# Altium PCB Tigershark 3D R2.2 - RRDC.PcbDoc (part 2 of 4)
Units mil, origin at the board's own origin, x right, y up, seen from the top; angles counter-clockwise.
Board outline 4100 x 4050 mil, 4 copper layers (Top Layer, Groun Plane, Power Plane, Bottom Layer), stack 61.73 mil thick; 356 components, 244 nets, 1149 pads, 847 vias.
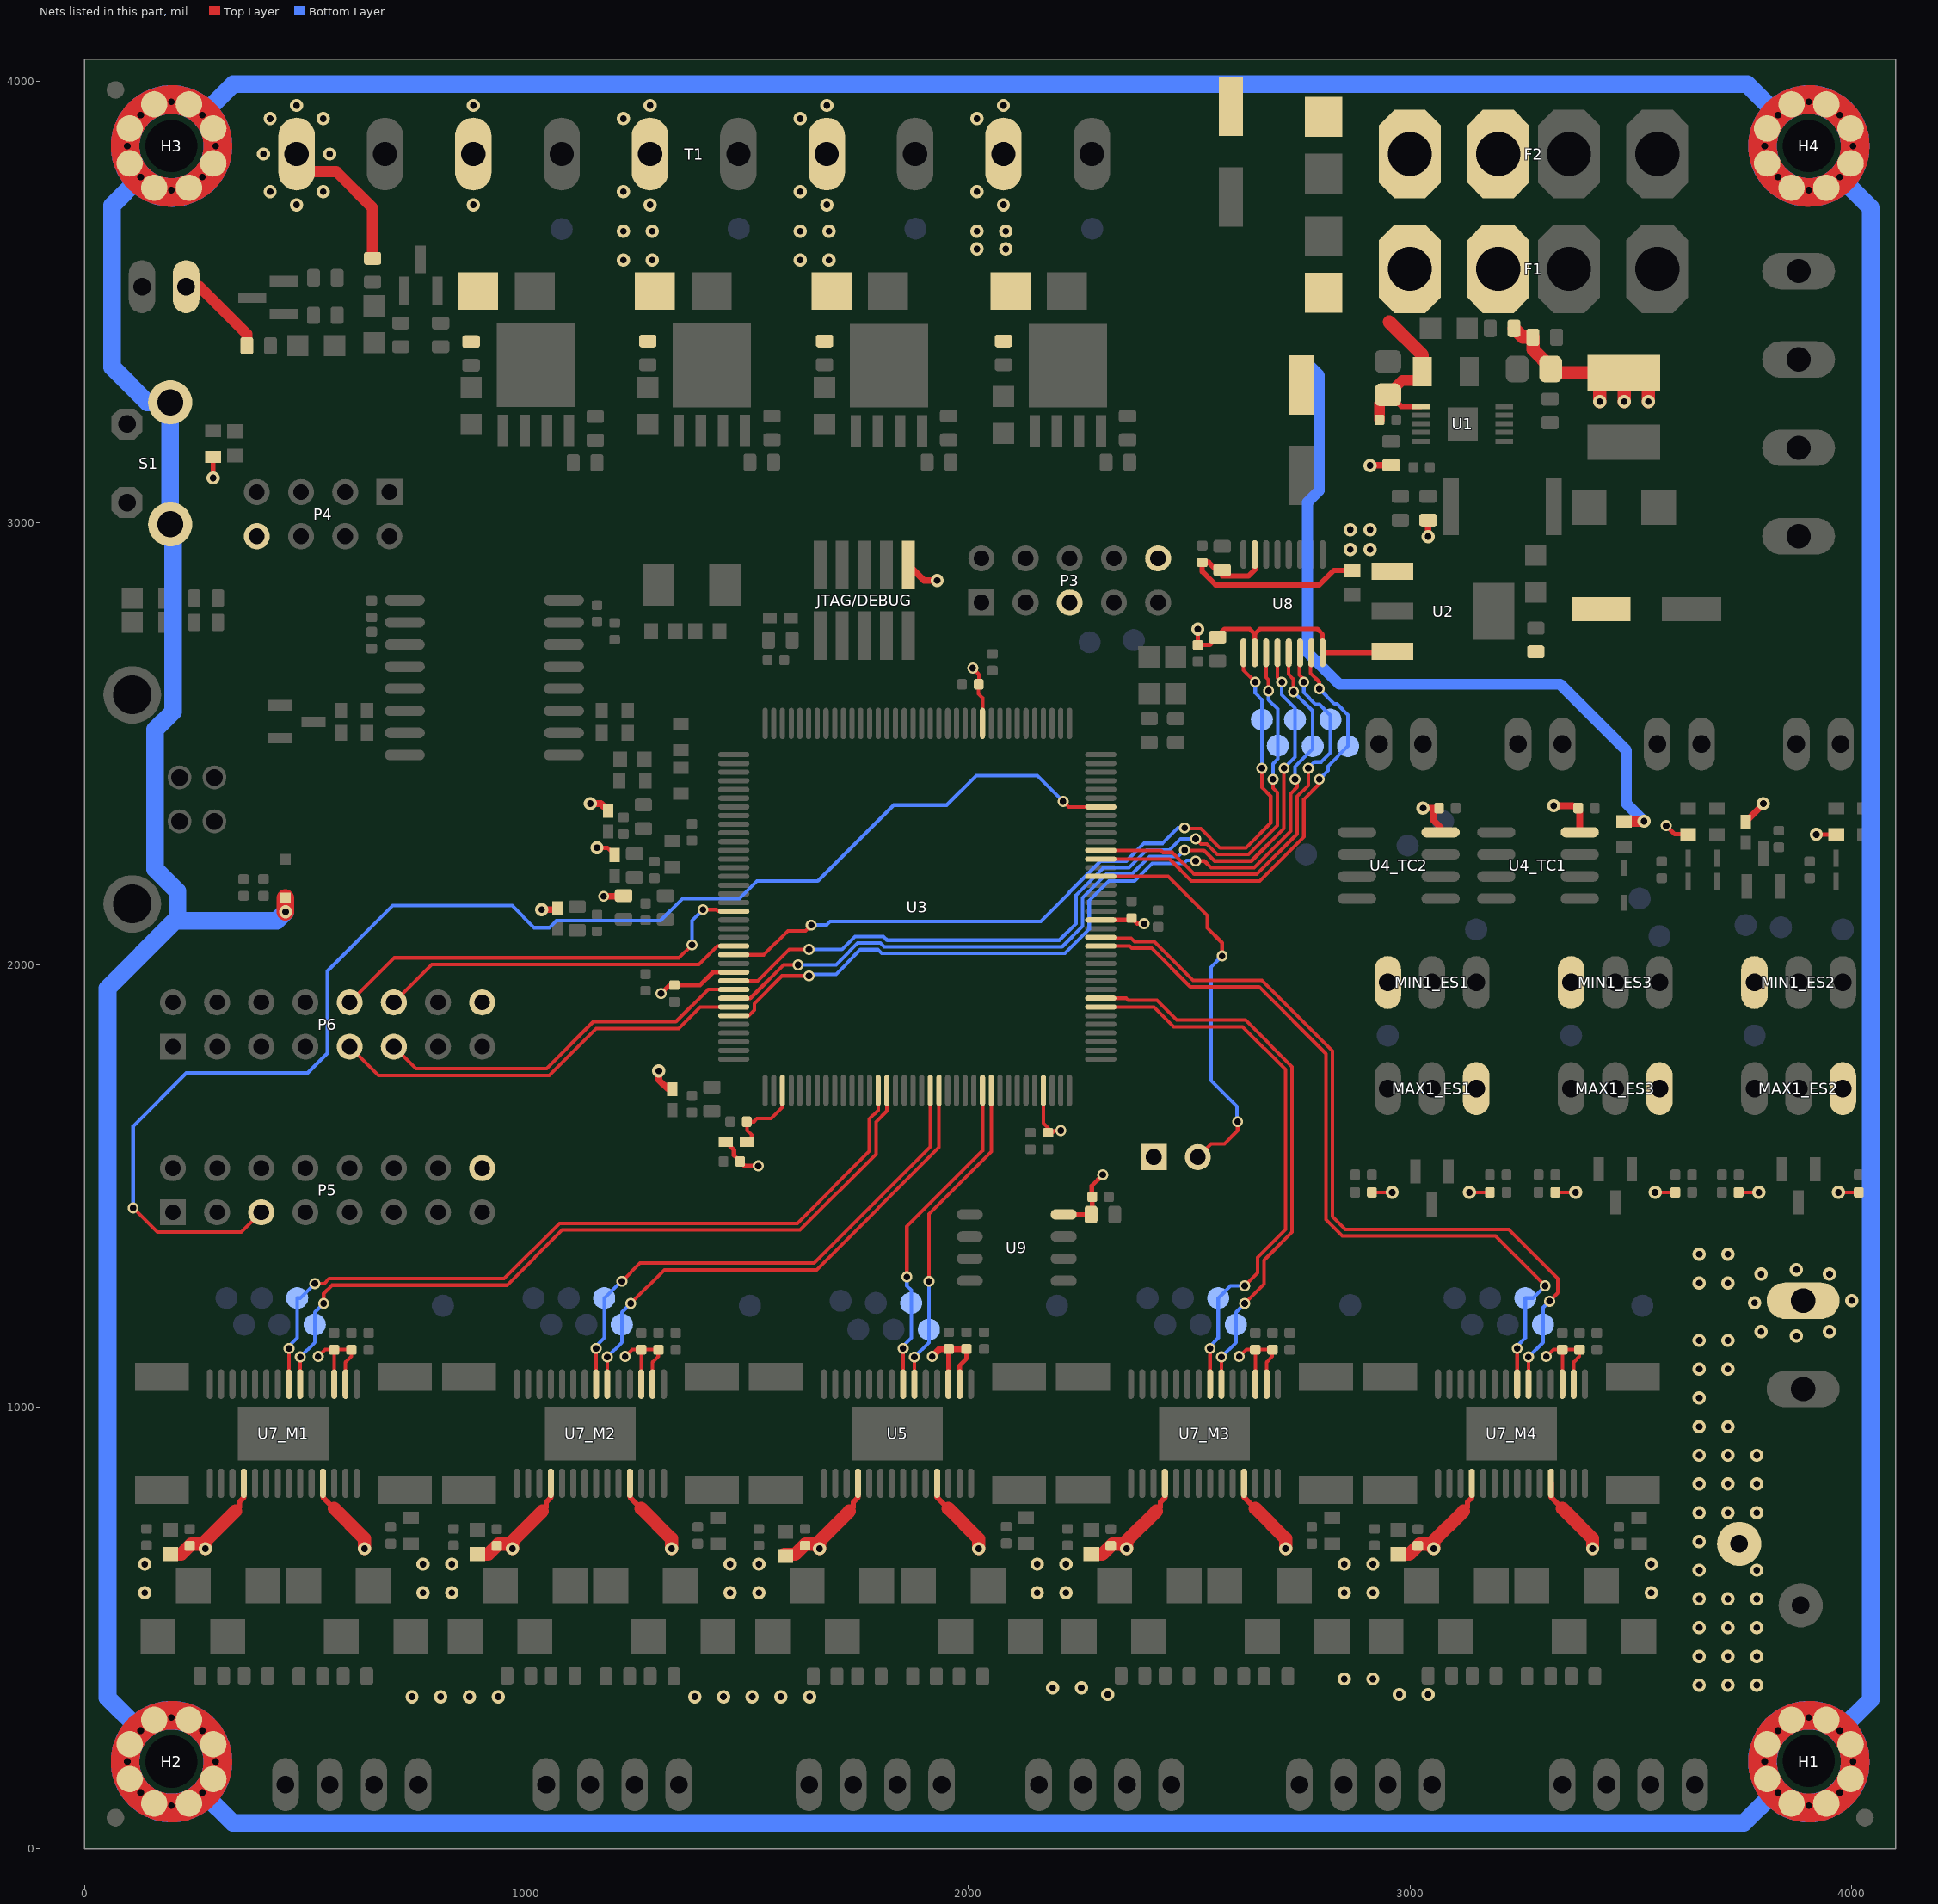
[diagram p4: the nets of this part, all layers, seen from the top]

## Footprints (in the part's own frame and the unit in brackets; to place one, negate y for a bottom-side part, rotate by r counter-clockwise, add the part's x,y. Pads: shape width x height; smd on the part's side, far side on the other; paste and mask are expansions set on the pad) (continued)
LQFP144_N [mm] "Thin QFP, 144-Leads, Body 20x20mm, Pitch 0.5mm, IPC Medium Density"
  oval 1.8x0.3 smd: 1(-10.55,8.75) 2(-10.55,8.25) 3(-10.55,7.75) 4(-10.55,7.25) 5(-10.55,6.75) 6(-10.55,6.25) 7(-10.55,5.75) 8(-10.55,5.25) 9(-10.55,4.75) 10(-10.55,4.25) 11(-10.55,3.75) 12(-10.55,3.25) 13(-10.55,2.75) 14(-10.55,2.25) 15(-10.55,1.75) 16(-10.55,1.25) 17(-10.55,0.75) 18(-10.55,0.25) 19(-10.55,-0.25) 20(-10.55,-0.75) 21(-10.55,-1.25) 22(-10.55,-1.75) 23(-10.55,-2.25) 24(-10.55,-2.75) 25(-10.55,-3.25) 26(-10.55,-3.75) 27(-10.55,-4.25) 28(-10.55,-4.75) 29(-10.55,-5.25) 30(-10.55,-5.75) 31(-10.55,-6.25) 32(-10.55,-6.75) 33(-10.55,-7.25) 34(-10.55,-7.75) 35(-10.55,-8.25) 36(-10.55,-8.75) 73(10.55,-8.75) 74(10.55,-8.25) 75(10.55,-7.75) 76(10.55,-7.25) 77(10.55,-6.75) 78(10.55,-6.25) 79(10.55,-5.75) 80(10.55,-5.25) 81(10.55,-4.75) 82(10.55,-4.25) 83(10.55,-3.75) 84(10.55,-3.25) 85(10.55,-2.75) 86(10.55,-2.25) 87(10.55,-1.75) 88(10.55,-1.25) 89(10.55,-0.75) 90(10.55,-0.25) 91(10.55,0.25) 92(10.55,0.75) 93(10.55,1.25) 94(10.55,1.75) 95(10.55,2.25) 96(10.55,2.75) 97(10.55,3.25) 98(10.55,3.75) 99(10.55,4.25) 100(10.55,4.75) 101(10.55,5.25) 102(10.55,5.75) 103(10.55,6.25) 104(10.55,6.75) 105(10.55,7.25) 106(10.55,7.75) 107(10.55,8.25) 108(10.55,8.75)
  oval 0.3x1.8 smd: 37(-8.75,-10.55) 38(-8.25,-10.55) 39(-7.75,-10.55) 40(-7.25,-10.55) 41(-6.75,-10.55) 42(-6.25,-10.55) 43(-5.75,-10.55) 44(-5.25,-10.55) 45(-4.75,-10.55) 46(-4.25,-10.55) 47(-3.75,-10.55) 48(-3.25,-10.55) 49(-2.75,-10.55) 50(-2.25,-10.55) 51(-1.75,-10.55) 52(-1.25,-10.55) 53(-0.75,-10.55) 54(-0.25,-10.55) 55(0.25,-10.55) 56(0.75,-10.55) 57(1.25,-10.55) 58(1.75,-10.55) 59(2.25,-10.55) 60(2.75,-10.55) 61(3.25,-10.55) 62(3.75,-10.55) 63(4.25,-10.55) 64(4.75,-10.55) 65(5.25,-10.55) 66(5.75,-10.55) 67(6.25,-10.55) 68(6.75,-10.55) 69(7.25,-10.55) 70(7.75,-10.55) 71(8.25,-10.55) 72(8.75,-10.55) 109(8.75,10.55) 110(8.25,10.55) 111(7.75,10.55) 112(7.25,10.55) 113(6.75,10.55) 114(6.25,10.55) 115(5.75,10.55) 116(5.25,10.55) 117(4.75,10.55) 118(4.25,10.55) 119(3.75,10.55) 120(3.25,10.55) 121(2.75,10.55) 122(2.25,10.55) 123(1.75,10.55) 124(1.25,10.55) 125(0.75,10.55) 126(0.25,10.55) 127(-0.25,10.55) 128(-0.75,10.55) 129(-1.25,10.55) 130(-1.75,10.55) 131(-2.25,10.55) 132(-2.75,10.55) 133(-3.25,10.55) 134(-3.75,10.55) 135(-4.25,10.55) 136(-4.75,10.55) 137(-5.25,10.55) 138(-5.75,10.55) 139(-6.25,10.55) 140(-6.75,10.55) 141(-7.25,10.55) 142(-7.75,10.55) 143(-8.25,10.55) 144(-8.75,10.55)
  silkscreen extent -10.67,-9.25 9.25,9.58, body extent -10,-10 10,10, height 1.6
MAXM-S8+4_N [mm] "SOIC, 8-Leads, Body 4.9x3.9mm, Pitch 1.27mm, IPC Medium Density"
  oval 2.2x0.6 smd: 1(-2.4,1.905) 2(-2.4,0.635) 3(-2.4,-0.635) 4(-2.4,-1.905) 5(2.4,-1.905) 6(2.4,-0.635) 7(2.4,0.635) 8(2.4,1.905)
  silkscreen extent -2.53,-2.5 0.9,2.88, body extent -2,-2.5 2,2.5, height 1.75
"MSTBV2 - duplicate" [mil]
  oval 82.5x165 hole 55: 1(-300,0) 2(-100,0)
  silkscreen extent -425,-150 25,180, body extent -425,-150 25,180, height 472
MSTBV4 [mil]
  oval 82.5x165 hole 55: 1(-300,0) 2(-100,0) 3(100,0) 4(300,0)
  silkscreen extent -425,-150 425,180, body extent -428,-153 428,183, height 472
MSTBV10 [mil]
  oval 82.5x165 hole 55: 1(-900,0) 2(-700,0) 3(-500,0) 4(-300,0) 5(-100,0) 6(100,0) 7(300,0) 8(500,0) 9(700,0) 10(900,0)
  silkscreen extent -1025,-150 1025,180, body extent -1028,-153 1025,183, height 472
OSHW_8X150_NOTEXT [mil]
  silkscreen extent 0,0 167,150, body extent 0,2 168,148
PN61729 [mil]
  round 54 hole 38: 1(50,186) 2(-49.21,186) 3(-49.21,107) 4(50,107)
  round 130.5 hole 87: 5(-236.22,0) 6(237,0)
  body extent -237,-405 238,226, height 406
PSMN7R0-60YS [mm] "TO, 5-Pads, Body 5.15x5.86mm (max), IPC Medium Density"
  rect 1.8x0.6 smd: 1(-2.6,1.905) 2(-2.6,0.635) 3(-2.6,-0.635) 4(-2.6,-1.905)
  rect 4.8x4.5 smd: 5(1.14,0)
  silkscreen extent -2.72,2.63 -2.48,2.88, body extent -1.85,-2.5 2.25,2.5, height 1.2
R0402 [mil]
  rrect40% 22x24 smd: 1(-18.9,0) 2(19,0)
  body extent -20,-10 20,10, height 14
R0603 [mm]
  rrect40% 0.74x1 smd: 1(-0.68,0) 2(0.68,0)
  body extent -0.8,-0.4 0.8,0.4, height 0.8
Resistor2512 [mm]
  rect 1.6x3.1 smd: 1(-3.25,0) 2(3.25,0)
  silkscreen extent -2.26,-1.3 2.26,1.3, body extent -3.24,-1.4 3.24,1.4, height 0.9
S25FL216K0PMFI041 [mm] "SOIC, 8-Leads, Body 4.90x3.90mm, Pitch 1.27mm, IPC Medium Density"
  oval 1.5x0.6 smd: 1(-2.7,1.905) 2(-2.7,0.635) 3(-2.7,-0.635) 4(-2.7,-1.905) 5(2.7,-1.905) 6(2.7,-0.635) 7(2.7,0.635) 8(2.7,1.905)
  silkscreen extent -2.82,-2.45 1.55,2.88, body extent -1.95,-2.45 1.95,2.45, height 1.75
SK310A-TP [mm] "Molded Diode, 2-Leads, Body 4.31x2.69mm, IPC Medium Density"
  rect 2.3x2.15 smd: 1(-1.625,0) 2(1.625,0)
  silkscreen extent -2.3,-1.45 3.07,1.75, body extent -2.29,-1.42 2.28,1.42, height 2.95
SMA-SM [mil]
  rect 79x79 smd: A(79,0) C(-78.74,0)
  silkscreen extent -89,-49 89,50, body extent -105,-54 105,55, height 116
SOD323-R [mil]
  rect 24x24 smd: A(44,0) C(-43.31,0)
  body extent -50,-31 50,31, height 28
SOT95P230X110-3N [mm] "SOT23, 3-Leads, Body 2.90x2.30mm, Pitch 0.95mm, IPC Medium Density"
  rect 1.4x0.6 smd: 1(-0.95,0.95) 2(-0.95,-0.95) 3(0.95,0)
  silkscreen extent -1.07,-1.5 0.7,1.93, body extent -0.7,-1.5 0.7,1.5, height 1.1
SOT230P700X190-4N [mm] "SOT223, 4-Leads, Body 6.50x7.00mm (avg), Pitch 2.30mm, IPC Medium Density"
  rect 2.4x1 smd: 1(-2.9,2.3) 2(-2.9,0) 3(-2.9,-2.3)
  rect 2.4x3.25 smd: 4(2.9,0)
  silkscreen extent -3.02,-3.35 1.4,3.47, body extent -1.85,-3.35 1.85,3.35, height 1.9
SZMM3Z4V7T1G [mm] "Molded Diode, 2-Leads, Body 1.70x1.25mm, IPC Medium Density"
  rect 0.9x0.35 smd: 1(-1,0) 2(1,0)
  silkscreen extent -0.95,-0.7 1.4,0.7, body extent -0.9,-0.67 0.9,0.67, height 1
TP-2#1 [mil]
  round 50 smd far side: 1(0,0)
TP-2#2 [mil]
  round 50 smd: 1(0,0)
TSOP65P640X120-16N [mm] "TSOP, 16-Leads, Body 5.00x4.40mm, Pitch 0.65mm, IPC Medium Density"
  oval 1.65x0.35 smd: 1(-2.825,2.275) 2(-2.825,1.625) 3(-2.825,0.975) 4(-2.825,0.325) 5(-2.825,-0.325) 6(-2.825,-0.975) 7(-2.825,-1.625) 8(-2.825,-2.275) 9(2.825,-2.275) 10(2.825,-1.625) 11(2.825,-0.975) 12(2.825,-0.325) 13(2.825,0.325) 14(2.825,0.975) 15(2.825,1.625) 16(2.825,2.275)
  silkscreen extent -2.95,-2.55 1.6,3.12, body extent -2.25,-2.55 2.25,2.55, height 1.2
VSSOP10 [mm] "TSSOP, 10-Leads, Body 3.15x3.00mm, Pitch 0.50mm, Thermal Pad 2.05.2x1.50.2mm, IPC High Density"
  rect 1.02x0.3 smd mask+0.102: 1(-2.4,1) 2(-2.4,0.5) 3(-2.4,0) 4(-2.4,-0.5) 5(-2.4,-1) 6(2.4,-1) 7(2.4,-0.5) 8(2.4,0) 9(2.4,0.5) 10(2.4,1)
  rect 1.73x1.9 smd: 11(0,0)
  silkscreen extent -2.02,-1.7 0.65,1.82, body extent -1.55,-1.7 1.55,1.7, height 1.09
Wave_hole_3x7-singleSided#1 [mil]
  round 0 hole 118.11 unplated paste+0 mask-112: 0(0,1.85)
  round 0 hole 15 paste-20 mask-20: 1(-100,0) 1(-70,-70) 1(-70,70) 1(0,-100) 1(0,100) 1(70,-70) 1(70,70) 1(100,0)
  round 60 smd paste-5 mask+0: 1(-94.49,-39.37) 1(-94.49,39.37) 1(-39.37,-94.49) 1(-39.37,94.49) 1(39.37,-94.49) 1(39.37,94.49) 1(94.49,-39.37) 1(94.49,39.37)
  Top Layer circle w64.96: c0,0 r105
  Bottom Layer lines w64.96: -78.26,-70 cw(c0,0) 74.25,74.25 cw(c0,0) 105,0 cw(c0,0) -78.26,-70
  body extent -105,-105 105,105
Wave_hole_3x7-singleSided#2 [mil]
  round 0 hole 118.11 unplated paste+0 mask-112: 0(0,0)
  round 0 hole 15 paste-20 mask-20: 1(-100,0) 1(-70,-70) 1(-70,70) 1(0,-100) 1(0,100) 1(70,-70) 1(70,70) 1(100,0)
  round 60 smd paste-5 mask+0: 1(-94.49,-39.37) 1(-94.49,39.37) 1(-39.37,-94.49) 1(-39.37,94.49) 1(39.37,-94.49) 1(39.37,94.49) 1(94.49,-39.37) 1(94.49,39.37)
  Top Layer circle w64.96: c0,0 r105
  Bottom Layer lines w64.96: -74.25,74.25 cw(c0,0) 105,0 cw(c0,0) 74.25,-74.25 cw(c0,0) -74.25,74.25
  body extent -105,-105 105,105
XAL50xx-153 [mm] "Precision Wire Wound Inductor, 2-Leads, Body 5.28x5.48mm, IPC High Density"
  rect 2.05x4.2 smd: 1(-2,0) 2(2,0)
  silkscreen extent -2.75,-2.85 2.75,2.85, body extent -2.74,-2.84 2.74,2.84, height 4.25

## Part data
C1_ES1 C1_ES2 C1_ES3 C2_ES1 C2_ES2 C2_ES3 C24 C50 C71_M1 C71_M2 C71_M3 C71_M4: library part GRM155R60J474KE19D, "0.47uF 6.3v C0402 - GRM155R60J474KE19D"
C3_M1 C3_M2 C3_M3 C3_M4 C5_M1 C5_M2 C5_M3 C5_M4 C6_M1 C6_M2 C6_M3 C6_M4 C8_M1 C8_M2 C8_M3 C8_M4 C52 C62 C67 C72: library part CC0603ZRY5V6BB105, "CAP CER 0603 1uF 10V Y5V"
C4 C35 C43 C44 C66_M1 C66_M2 C66_M3 C66_M4 C73: library part "Cap Semi", "Capacitor (Semiconductor SIM Model)"
C7: library part UPW1H471MHD1TO, "CAP ALU 470uF 50V 20%"
C9: library part C1206C475K5PACTU, "CAP CER 1206 4.7uF 50V 10% X5R"
C10: library part GRM21BR71H105KA12L, "CAP CER 0805 1uF 50V 10% X7R"
C11 C40: library part C0603C104K5RACTU, "CAP CER 0603 100nF 50V 10% X7R"
C12_M1 C12_M2 C12_M3 C12_M4 C14_M1 C14_M2 C14_M3 C14_M4 C19 C23 C27 C31_TC1 C31_TC2 C33 C37 C38 C39 C41 C42 C45 C46 C47 C48 C51 C53 C54 C56 C57 C58 C59 C61 C69 C70 C75_M1 C75_M2 C75_M3 C75_M4: library part "100nF C0402 - GRM155R71C104KA88D", "Capacitor (Semiconductor SIM Model)"
C13 C17 C25 C28 C29 C32 C36 C55 C60: library part C1608JB0J106K080AB, "CAP CER 10UF 6.3V 10% JB 0603"
C15 C16 C18: "CAP ALUM 100UF 35V 20% SMD"
C20 C26 C30_TR1 C30_TR2 C34 C64 C65: library part GRM155R71C104KA88D, "CAP CER 0.1UF (100nF) 16V 10% X7R 0402"
C21: library part C0805C106K8PACTU, "CAP CER 0805 10uF 10V 10% X5R"
C22: library part GRM155R60J105KE19D, "CAP CER 0402 1uF 6.3V 10% X5R"
C49 C68_M1 C68_M2 C68_M3 C68_M4: library part GRM155R71H103JA88D, "CAP CER 10000PF 50V X7R 0402"
C63: "Capacitor (Semiconductor SIM Model)"
D1: library part "D Zener", "Zener Diode"
D2: library part SK310A, "DIODE Schottky 3A SMA"
D3_TR1 D3_TR2 D5_TR1 D5_TR2: "High Conductance Fast Diode"
D4 D6 D12 D15 D17 D19: library part "D Schottky", "Schottky Diode"
D7 D9: "LED 0805 Red"
D8: "DIODE TVS"
D10 D11 D13 D14 D16 D18 D24 D29 D30 D31: "LED 0805 Yellow"
D20_M1 D20_M2 D20_M3 D20_M4 D21_M1 D21_M2 D21_M3 D21_M4 D22_M1 D22_M2 D22_M3 D22_M4 D23_M1 D23_M2 D23_M3 D23_M4 D25 D26 D27 D28: "DIODE TVS 30V SMA"
DA1 DA2 DA3 DA4 DA5: "PESDxL2BT TVS Diode Array 2x"
F1 F2: library part "Fuse 1", "Fuse"
"Heat Power": library part con-phoenix-508_4
JTAG/DEBUG: library part "ARM Cortex JTAG-DEBUG Header"
L1: "IND 15uH 3.9A 20%"
M1_M1 M1_M2 M1_M3 M1_M4 M2 M3: library part "Molex 0705430003 Alt", "Molex 4 Pin Clip Connector"
MAX1_ES1 MAX1_ES2 MAX1_ES3 MIN1_ES1 MIN1_ES2 MIN1_ES3: library part "Molex Endstop"
"Motor Power": library part con-phoenix-508_2
P1: library part "Header 2", "Header, 2-Pin"
P3: "Header, 5-Pin, Dual row"
P4: "Header, 4-Pin, Dual row"
P5 P6: "16 Pos 2.54mm Pin Connector Shrouded"
Q2 Q3 Q4 Q5 Q6 Q7: "N-Channel MOSFET"
R1 R14_TR1 R14_TR2 R19_TR1 R19_TR2 R21: "Resistor"
R2_ES1 R2_ES2 R2_ES3 R3_ES1 R3_ES2 R3_ES3: library part ERJ-2GEJ272X, "RES SMD 2.7K OHM 5% 1/10W 0402"
R4 R5 R15 R16 R18 R20 R22 R23 R31_M1 R31_M2 R31_M3 R31_M4 R32_M1 R32_M2 R32_M3 R32_M4 R33_M1 R33_M2 R33_M3 R33_M4 R37 R38 R39: library part Res3, "Resistor"
R6 R46 R55 R59 R63 R67 R71: library part RC0603FR-07100KL, "RES 100K OHM 1/10W 1% 0603 SMD"
R7 R10 R12: library part ERJ-3EKF1002V, "RES 0603 10K 100mW 1%"
R8 R11 R25 R26 R27 R28: library part ERJ-3EKF1001V, "RES 0603 1K 100mW 1%"
R9: library part RL2512FK-070R06L, "RES 0.06 OHM 1W 1% 2512 SMD"
R13 R47 R56 R60 R64 R68: library part RC0603JR-071K8L, "RES 0603 1.8K 100mW 5%"
R17: library part CRCW0402200KFKED, "RES 0402 22r 63mW 1%"
R24 R30_M1 R30_M2 R30_M3 R30_M4 R36: library part ERJ2GEJ105X, "RES 0402 1M 100mW 5%"
R45 R52 R58 R62 R66 R70: library part CRCW060310R0FKEA, "RES 0603 10r 100mW 1%"
S1: library part 1571610-2_1, "SWTCH Momentary Washable"
T1: library part "0395311010 - Molex 10 Position Connector", "MSBTV10 10 port connector same as RAMBo"
TP2 TP4 TP5 TP6 TP7 TP8 TP9_ES1 TP9_ES2 TP9_ES3 TP10_ES1 TP10_ES2 TP10_ES3 TP11 TP12 TP13 TP14 TP15 TP16 TP17 TP18 TP19 TP20 TP21 TP32_M1 TP32_M2 TP32_M3 TP32_M4 TP33_M1 TP33_M2 TP33_M3 TP33_M4 TP35_M1 TP35_M2 TP35_M3 TP35_M4 TP36_M1 TP36_M2 TP36_M3 TP36_M4 TP37_M1 TP37_M2 TP37_M3 TP37_M4 TP38 TP39_M1 TP39_M2 TP39_M3 TP39_M4 TP40_M1 TP40_M2 TP40_M3 TP40_M4 TP43 TP44 TP45 TP46 TP47 TP52_TR1 TP52_TR2: library part Socket, "Socket"
U1: library part LM25011, "REG BUCK"
U4_TC1 U4_TC2: "Cold Junction Compensated Thermocouple to Digital Converter, 14 Bits Temperature Resolution, -40 to 125 degC, 8-Pin SOIC (S8+4), Pb-Free"
U5 U7_M1 U7_M2 U7_M3 U7_M4: "DRV8825 Ti Stepper Driver"
U6: "USB Opto Isolator"
U8: library part TXB0106, "TXB0106 - Bidriectional Opendrain/pushpull level shift"
X2: library part XTAL, "Crystal Oscillator"

## Via types
v1: diameter 30, hole 15, Top Layer to Bottom Layer, tented both sides, 526 vias
v2: diameter 25, hole 15, Top Layer to Bottom Layer, tented both sides, 173 vias
v3: diameter 19.68, hole 7.87, Top Layer to Bottom Layer, 75 vias
v4: diameter 25, hole 15, Top Layer to Bottom Layer, 61 vias
v5: diameter 30, hole 15, Top Layer to Bottom Layer, 9 vias
v6: diameter 45, hole 20, Top Layer to Bottom Layer, tented both sides, 2 vias
v7: diameter 25, hole 15, Top Layer to Bottom Layer, tented bottom, 1 vias

## Nets (pads, with @x,y where several pads share a name; then routed paths per layer and width w, separated by ;. In a path a pad name is that pad's centre, name@x,y a point inside that pad or via, vN(x,y) a via of type N, cw(c..) or ccw(c..) an arc to the next point about the centre after c; other vN are vias at no path point)
3.3VCC: C12_M1.2 C12_M2.2 C12_M3.2 C12_M4.2 C14_M1.2 C14_M2.2 C14_M3.2 C14_M4.2 C18.1 C25.2 C26.2 C29.2 C31_TC1.2 C31_TC2.2 C34.2 C45.2 C46.2 C47.2 C48.2 C64.2 C69.2 C70.2 FB1.2 FB5.1 FB6.1 FB7.1 FB8.1 FB9.1 JTAG/DEBUG.1 MAX1_ES1.3 MAX1_ES2.3 MAX1_ES3.3 MIN1_ES1.3 MIN1_ES2.3 MIN1_ES3.3 P1.1 P3.10 P4.8 P5.16 P6.16 R2_ES1.2 R2_ES2.2 R2_ES3.2 R3_ES1.2 R3_ES2.2 R3_ES3.2 R6.2 R11.2 R19_TR1.2 R19_TR2.2 R21.2 U2.3 U3.11 U3.62 U3.105 U3.125 U4_TC1.4 U4_TC2.4 U5.16 U5.17 U7_M1.16 U7_M1.17 U7_M2.16 U7_M2.17 U7_M3.16 U7_M3.17 U7_M4.16 U7_M4.17 U8.2 U8.8 U9.8 | length 3628.5
  Top Layer w8: v2(528.74,1113.74) 544.74,1129.74 C12_M1.2@563.74,1129.74 ; U7_M1.17@565.16,1052.2 565.16,1128.32 C12_M1.2@563.74,1129.74 ; U7_M1.16@588.74,1054.21 590.75,1052.2 590.75,1100.75 603.74,1113.74 C14_M1.2@603.74,1128.74 ; C14_M1.2@603.74,1129.74 C12_M1.2@563.74,1129.74 ; R6.2@1211.77,2155 R6.2@1215,2151.77 ; v2(1223.74,1113.74) 1239.74,1129.74 C12_M2.2@1258.74,1129.74 ; U7_M2.17@1260.16,1052.2 1260.16,1128.32 C12_M2.2@1258.74,1129.74 ; U7_M2.16@1283.74,1054.21 1285.75,1052.2 1285.75,1100.75 1298.74,1113.74 C14_M2.2@1298.74,1128.74 ; C14_M2.2@1298.74,1129.74 C12_M2.2@1258.74,1129.74 ; JTAG/DEBUG.1@1865,2904.92 JTAG/DEBUG.1@1865.08,2905 ; v2(2010.47,2671.46) 2024.47,2657.46 2024.47,2627.54 2023.56,2626.63 2023.56,2613.37 2032.64,2604.29 U3.11@2032.64,2546.46 ; U3.105@2170.43,1715.75 2170.43,1641.77 2181.1,1631.1 C45.2@2181.1,1620.1 2186.2,1615 2196.2,1625 v2(2210,1625) ; v4(2613.74,1113.74) 2629.74,1129.74 C12_M3.2@2648.74,1129.74 ; U7_M3.17@2650.16,1052.2 2650.16,1128.32 C12_M3.2@2648.74,1129.74 ; U7_M3.16@2673.74,1054.21 2675.75,1052.2 2675.75,1100.75 2688.74,1113.74 C14_M3.2@2688.74,1128.74 ; C14_M3.2@2688.74,1129.74 C12_M3.2@2648.74,1129.74 ; R3_ES1.2@2914,1485 v1(2960,1485) ; v1(3135,1485) R2_ES1.2@3181,1485 ; v4(3308.74,1113.74) 3324.74,1129.74 C12_M4.2@3343.74,1129.74 ; R3_ES3.2@3329,1485 v1(3375,1485) ; U7_M4.17@3345.16,1052.2 3345.16,1128.32 C12_M4.2@3343.74,1129.74 ; U7_M4.16@3368.74,1054.21 3370.75,1052.2 3370.75,1100.75 3383.74,1113.74 C14_M4.2@3383.74,1128.74 ; C14_M4.2@3383.74,1129.74 C12_M4.2@3343.74,1129.74 ; v1(3555,1485) R2_ES3.2@3601,1485 ; R3_ES2.2@3744,1485 v1(3790,1485) ; v1(3970,1485) R2_ES2.2@4016,1485
  Top Layer w10: v1(291,3102) R21.2@291,3149.47 ; v1(1160,2265) 1183.62,2265 FB7.1@1200,2248.62 ; v2(1305,1935) 1324.5,1954.5 1393.54,1954.5 1422.51,1983.46 U3.62@1469.65,1983.46 ; FB9.1@1451.38,1600 1470,1581.38 1470,1569 C64.2@1484,1555 1494,1545 v4(1525,1545) ; U5.17@1955.42,1051.94 C69.2@1955.42,1129.9 ; U5.16@1981.01,1051.94 1981.01,1093.49 1996.26,1108.74 C70.2@1996.26,1130.74 ; U9.8@2216.3,1435 C29.2@2278.23,1435 2281,1437.77 C34.2@2281,1475 2280,1476 2280,1500 v2(2305,1525) ; U3.125@2300.35,2101.57 C46.2@2365.57,2101.57 ; C46.2@2371,2105 2383,2093 v2(2398.5,2093) ; v1(2520,2760) C26.2@2520,2724 2547.23,2724 C25.2@2565,2741.77 ; C25.2@2560,2740 2580,2760 2637.44,2760 2649.02,2748.42 ; U8.2@2649.02,2706.22 2649.02,2748.42 ; U2.3@2960.83,2709.45 2957.6,2706.22 U8.8@2802.57,2706.22 2802.57,2747.87 2790.44,2760 2660.61,2760 2649.02,2748.42 ; 3367.95,2360 C31_TC1.2@3384.49,2343.46 ; v2(3580,2315) 3599.53,2295.47 R19_TR2.2@3630,2295.47 ; v1(3920,2295) 3964.53,2295 R19_TR1.2@3965,2295.47
  Top Layer w15: v1(1035,2125) 1059.72,2125 FB5.1@1060,2124.72 ; v1(1145,2365) 1168.62,2365 FB8.1@1185,2348.62 ; v2(1175,2155) 1201.77,2155 1206.77,2150 R6.2@1211.77,2155 ; v1(1300,1760) 1300,1739.72 FB6.1@1320,1719.72 ; JTAG/DEBUG.1@1865.08,2905 1900.08,2870 v1(1930,2870) ; v4(1918.77,1113.71) 1935.8,1130.74 C69.2@1956.26,1130.74 C70.2@1996.26,1130.74 ; C46.2@2370,2106 C46.2@2371,2105 ; v1@3025,2360 3025,2355 3052.95,2355 ; C31_TC2.2@3056,2355 3052.95,2355 ; U4_TC2.4@3069.49,2300 3069.49,2311.02 3052.95,2327.56 3052.95,2355 ; v1(3325.51,2360) 3367.95,2360 ; U4_TC1.4@3384.49,2300 C31_TC1.2@3384.49,2343.46 ; FB1.2@3760,2323.62 3800,2363.62 v1(3800,2365)
  other v1: 3030,2355
+5VCC: C4.2 C11.1 C17.2 C20.2 C21.1 L1.2 R7.2 R8.2 R10.1 U2.1 U8.15 | length 1132.3
  Top Layer w12: C20.2@2530,2911 2530,2890 2560,2860 2795,2860 2827.56,2892.56 C4.2@2870,2892.56 ; C20.2@2530,2916 2531.51,2915.49 2544.88,2911 2575.88,2880 2635,2880 2649.02,2894.02 U8.15@2649.02,2928.66
  Top Layer w15: v1@2909.31,3130.43 2957.09,3130.43 R7.2@2957.32,3130.65 ; v1(3041.31,2969.43) R10.1@3041.31,3006.66
  Top Layer w30: R8.2@3235.54,3440.43 3255.54,3420.43 C11.1@3278.54,3420.43 3278.54,3392.69 3318.72,3352.52 C21.1@3318.72,3348.43 ; C21.1@3326.98,3340.17 L1.2@3484.31,3340.17 ; v1(3430,3275) L1.2@3430,3335.17 ; v1(3485,3275) L1.2@3485,3339.48 ; v1(3540,3275) L1.2@3540,3340
  other v1: 2865,2940 2910,2940 2865,2985 2910,2985 2910,3130
+12VCC1: "Motor Power.1" C7.1 C35.1 C66_M1.1 C66_M2.1 C66_M3.1 C66_M4.1 R30_M1.2 R30_M2.2 R30_M3.2 R30_M4.2 R36.2 U5.4 U5.11 U7_M1.4 U7_M1.11 U7_M2.4 U7_M2.11 U7_M3.4 U7_M3.11 U7_M4.4 U7_M4.11 | length 2331.6
  Top Layer w12: 341.26,763.74 350.26,772.74 350.26,784.25 360.43,794.42 U7_M1.4@360.43,826.8 U7_M1.4@360.43,827.8 ; U7_M1.11@539.57,827.8 539.57,795.43 565,770 ; 1036.26,763.74 1045.26,772.74 1045.26,784.25 1055.43,794.42 U7_M2.4@1055.43,826.8 U7_M2.4@1055.43,827.8 ; U7_M2.11@1234.57,827.8 1234.57,795.43 1260,770 ; 1731.29,763.71 1740.29,772.71 1740.29,784.22 1750.46,794.39 U5.4@1750.46,826.76 ; U5.11@1929.6,827.76 1929.6,795.4 1955.03,769.97 ; 2426.26,763.74 2435.26,772.74 2435.26,784.25 2445.43,794.42 U7_M3.4@2445.43,826.8 U7_M3.4@2445.43,827.8 ; U7_M3.11@2624.57,827.8 2624.57,795.43 2650,770 ; 3121.26,763.74 3130.26,772.74 3130.26,784.25 3140.43,794.42 U7_M4.4@3140.43,826.8 U7_M4.4@3140.43,827.8 ; U7_M4.11@3319.57,827.8 3319.57,795.43 3345,770
  Top Layer w30: C66_M1.1@193.74,666.18 218.7,666.18 241.26,688.74 263.74,688.74 v1(273.74,678.74) 273.74,696.22 341.26,763.74 ; 565,770 633.74,701.26 v1(633.74,678.74) ; C66_M2.1@888.74,666.18 913.7,666.18 936.26,688.74 958.74,688.74 v1(968.74,678.74) 968.74,696.22 1036.26,763.74 ; 1260,770 1328.74,701.26 v1(1328.74,678.74) ; C35.1@1583.77,666.15 1608.73,666.15 1631.29,688.71 1653.77,688.71 v1(1663.77,678.71) 1663.77,696.19 1731.29,763.71 ; 1955.03,769.97 2023.77,701.23 v1(2023.77,678.71) ; C66_M3.1@2278.74,666.18 2303.7,666.18 2326.26,688.74 2348.74,688.74 v1(2358.74,678.74) 2358.74,696.22 2426.26,763.74 ; 2650,770 2718.74,701.26 v1(2718.74,678.74) ; C66_M4.1@2973.74,666.18 2998.7,666.18 3021.26,688.74 3043.74,688.74 v1(3053.74,678.74) 3053.74,696.22 3121.26,763.74 ; 3345,770 3413.74,701.26 v1(3413.74,678.74)
  other v1: 741.26,343.74 806.26,343.74 871.26,343.74 936.26,343.74 1381.26,343.74 1446.26,343.74 1511.26,343.74 1576.26,343.74 1641.26,343.74 2316.26,348.74 2976.26,348.74 3041.26,348.74 2191.26,363.74 2256.26,363.74 3655,370 3720,370 3785,370 2851.26,383.74 2916.26,383.74 3655,435 3720,435 3785,435 3655,500 3720,500 3785,500 3655,565 3720,565 3785,565 136.26,578.74 766.26,578.74 831.26,578.74 1461.26,578.74 1526.26,578.74 2156.29,578.71 2221.29,578.71 2851.26,578.74 2916.26,578.74 3546.26,578.74 3655,630 3785,630 136.26,643.74 766.26,643.74 831.26,643.74 1461.26,643.74 1526.26,643.74 2156.29,643.71 2221.29,643.71 2851.26,643.74 2916.26,643.74 3546.26,643.74 3655,695 3655,760 3720,760 3785,760 3655,825 3720,825 3785,825 3655,890 3720,890 3785,890 3655,955 3720,955 3655,1020 3655,1085 3720,1085 3655,1150 3720,1150 3875,1160 3795,1170 3950,1170 3780,1235 4000,1240 3655,1280 3720,1280 3795,1300 3950,1300 3875,1310 3655,1345 3720,1345
+12VCC2: C9.1 C10.1 C16.1 D6.2 D12.2 D15.2 D17.2 F1.2 FAN-1.1 R1.2 R13.2 R17.2 R47.2 R56.2 R60.2 R64.2 T1.1 T1.3 T1.5 T1.7 U1.1 | length 2576.9
  Top Layer w12: C10.1@2971.68,3272.95 2980.83,3263.8 U1.1@3024.83,3263.8
  Top Layer w24: R17.2@2931.31,3233.43 C10.1@2931.31,3271.02 ; C10.1@2950.31,3290.02 2982.72,3322.43 C9.1@3008.15,3322.43
  Top Layer w25: FAN-1.1@230,3535 260,3535 367.23,3427.77 R13.2@367.23,3401 ; T1.1@480,3810 495,3795 570,3795 652,3713 R47.2@652,3598.77 ; R1.2@3485,2324.53 3529.53,2324.53 v1(3530,2325)
  Top Layer w30: 2953.21,3454.87 3028.17,3379.91 C9.1@3028.17,3342.43
  Bottom Layer w25: 2774.5,3354.5 2795,3333.99 2795,3073.87 2768.07,3046.93 2768.07,2706.93 2840,2635 3340,2635 3490,2485 3490,2365 v1(3530,2325) ; F1.2@3200,3545 F1.2@3200,3575
  other v1: 1220,3595 1285,3595 1620,3595 1685,3595 1220,3660 1285,3660 1620,3660 1685,3660 480,3720 880,3720 1280,3720 1680,3720 420,3750 540,3750 1220,3750 1620,3750 405,3835 555,3835 420,3915 540,3915 1220,3915 1620,3915 480,3945 880,3945 1280,3945 1680,3945
+12VCC3: C15.1 D4.2 D19.2 F2.2 R68.2 T1.9
  other v1: 2020,3620 2085,3620 2020,3660 2085,3660 2080,3720 2020,3750 2020,3915 2080,3945
AVREF: C65.2 FB9.2 U3.75 | length 169
  Top Layer w8: C65.2@1499,1645 1515,1645 1522.31,1652.31 1554.56,1652.31 1579.88,1677.64 U3.75@1579.88,1715.75 ; C65.2@1500,1636 1500,1625 1510,1615 FB9.2@1510,1603.62
BED_PWM: TP38.1 U3.132 U8.7 | length 1008.6
  Top Layer w8: U3.132@2300.35,2239.37 2456.18,2239.37 2505.55,2190 2659.85,2190 2760,2290.15 2760,2375 v2@2795,2410 ; U8.7@2776.98,2706.22 2775,2704.24 2775,2660 2795,2640 v2(2795,2625)
  Bottom Layer w8: v2(2795,2420) 2815,2440 2815,2450 TP38.1@2860,2495 2860,2565.91 2834.91,2591 2829,2591 v2(2795,2625)
DIR1: TP39_M1.1 U3.87 U7_M1.20 | length 1761
  Top Layer w8: U7_M1.20@488.39,1052.2 v2(488.39,1112.64) ; v2(541.26,1233.74) 541.26,1256.26 560,1275 956.07,1275 1081.07,1400 1619.71,1400 1791.5,1571.79 1791.5,1644.73 1816.1,1669.34 U3.87@1816.1,1715.75
  Bottom Layer w8: v2(488.39,1112.64) 521.23,1145.48 TP39_M1.1@521.23,1185.77 521.23,1213.71 v2(541.26,1233.74)
DIR2: TP39_M2.1 U3.93 U7_M2.20 | length 1176.6
  Top Layer w8: U7_M2.20@1183.39,1052.2 v2(1183.39,1112.64) ; v2(1236.26,1233.74) 1312.52,1310 1657.43,1310 1934.21,1586.79 U3.93@1934.21,1715.75
  Bottom Layer w8: v2(1183.39,1112.64) 1216.23,1145.48 TP39_M2.1@1216.23,1185.77 1216.23,1213.71 v2(1236.26,1233.74)
DIR3: TP39_M3.1 U3.116 U7_M3.20 | length 1280.8
  Top Layer w8: U3.116@2300.35,1924.41 2357.8,1924.41 2362.48,1919.72 2427.15,1919.72 2471.87,1875 2627.72,1875 2733.5,1769.22 2733.5,1395.01 2670,1331.51 2670,1277.48 v4(2626.26,1233.74) ; U7_M3.20@2573.39,1052.2 v4(2573.39,1112.64)
  Bottom Layer w8: v4(2573.39,1112.64) 2606.23,1145.48 TP39_M3.1@2606.23,1185.77 2606.23,1213.71 v4(2626.26,1233.74)
DIR4: TP39_M4.1 U3.123 U7_M4.20 | length 1839.6
  Top Layer w8: U3.123@2300.35,2062.2 2302.56,2060 2369.33,2060 2376.83,2052.5 2421.65,2052.5 2509.15,1965 2665,1965 2825,1805 2825,1430 2853.5,1401.5 3223.5,1401.5 3335,1290 3335,1257.54 v4(3316.23,1238.77) ; U7_M4.20@3268.39,1052.2 v4(3268.39,1112.64)
  Bottom Layer w8: v4(3268.39,1112.64) 3301.23,1145.48 TP39_M4.1@3301.23,1185.77 3301.23,1223.77 v4(3316.23,1238.77)
DIR_EXP1: P6.11 U3.64 | length 864.5
  Top Layer w8: P6.11@700,1815 750,1765 1045.7,1765 1151.68,1870.98 1338.56,1870.98 1411.67,1944.09 U3.64@1469.65,1944.09
DIR_EXP2: P6.12 U3.59 | length 822.5
  Top Layer w8: P6.12@700,1915 786,2001 1391,2001 1432.52,2042.52 U3.59@1469.65,2042.52
DIR_Z: TP20.1 U3.99 U5.20 | length 735.6
  Top Layer w8: U5.20@1878.42,1052.17 v4(1878.42,1112.61) ; v4(1911.26,1283.74) 1911.26,1436.55 2052.32,1577.62 U3.99@2052.32,1715.75
  Bottom Layer w8: v4(1878.42,1112.61) 1911.26,1145.45 TP20.1@1911.26,1174.74 v4(1911.26,1283.74)
EN1: TP32_M1.1 U3.86 U7_M1.21 | length 1780.1
  Top Layer w8: U7_M1.21@462.8,1052.2 v2(462.8,1132.05) ; v2(521.26,1278.74) 542.53,1278.74 553.79,1290 949.85,1290 1074.85,1415 1613.49,1415 1776.5,1578.01 1776.5,1650.95 1796.42,1670.86 U3.86@1796.42,1715.75
  Bottom Layer w8: v2(462.8,1132.05) 462.8,1137.34 481.23,1155.77 TP32_M1.1@481.23,1245.77 488.29,1245.77 v2(521.26,1278.74)
EN2: TP32_M2.1 U3.92 U7_M2.21 | length 1206.8
  Top Layer w8: U7_M2.21@1157.8,1052.2 v2(1157.8,1132.05) ; v2(1216.26,1283.74) 1257.52,1325 1651.21,1325 1914.53,1588.31 U3.92@1914.53,1715.75
  Bottom Layer w8: v2(1157.8,1132.05) 1157.8,1137.34 1176.23,1155.77 TP32_M2.1@1176.23,1245.77 v2@1214.2,1283.74
EN3: TP32_M3.1 U3.115 U7_M3.21 | length 1277.1
  Top Layer w8: U3.115@2300.35,1904.72 2420.94,1904.72 2465.66,1860 2621.51,1860 2718.5,1763.01 2718.5,1401.22 2655,1337.72 2655,1302.48 v4(2626.26,1273.74) ; U7_M3.21@2547.8,1052.2 v4(2547.8,1132.05)
  Bottom Layer w8: v4(2547.8,1132.05) 2547.8,1137.34 2566.23,1155.77 TP32_M3.1@2566.23,1245.77 2594.2,1273.74 v4(2626.26,1273.74)
EN4: TP32_M4.1 U3.122 U7_M4.21 | length 1801.8
  Top Layer w8: U3.122@2300.35,2042.52 2365.6,2042.52 2370.62,2037.5 2415.44,2037.5 2502.94,1950 2658.79,1950 2810,1798.79 2810,1423.79 2847.29,1386.5 3193.5,1386.5 v4(3306.23,1273.77) ; U7_M4.21@3242.8,1052.2 v4(3242.8,1132.05)
  Bottom Layer w8: v4(3242.8,1132.05) 3242.8,1137.34 3261.23,1155.77 TP32_M4.1@3261.23,1245.77 3278.23,1245.77 v4(3306.23,1273.77)
EN_EXP1: P6.9 U3.66 | length 960.7
  Top Layer w8: P6.9@600,1815 665,1750 1051.91,1750 1157.9,1855.98 1344.77,1855.98 1393.51,1904.72 U3.66@1469.65,1904.72
EN_EXP2: P6.10 U3.55 | length 990.4
  Top Layer w8: P6.10@600,1915 701,2016 1346,2016 v2(1375,2045) ; v2(1400,2125) 1430,2125 1433.74,2121.26 U3.55@1469.65,2121.26
  Bottom Layer w8: v2(1375,2045) 1375,2100 v2(1400,2125)
EN_Z: TP16.1 U3.98 U5.21 | length 746.3
  Top Layer w8: U5.21@1852.83,1052.17 v4(1852.83,1132.02) ; v4(1861.26,1293.74) 1861.26,1407.77 2032.64,1579.15 U3.98@2032.64,1715.75
  Bottom Layer w8: v4(1852.83,1132.02) 1852.83,1137.31 1871.26,1155.74 1871.26,1263.74 1861.26,1273.74 v4(1861.26,1293.74)
ERASE: P1.2 U3.130 | length 928.3
  Top Layer w8: U3.130@2300.35,2200 2453.13,2200 2541.5,2111.63 2541.5,2083.5 2575,2050 v2(2575,2020) ; P1.2@2520,1565 2550,1595 2580,1595 2610,1625 v2(2610,1645)
  Bottom Layer w8: v2(2575,2020) 2550,1995 2550,1738.23 2608.5,1679.73 2608.5,1646.5 v2(2610,1645)
EXP_CS: P3.5
EXP_CS2: P5.5 U3.138 | length 3215.5
  Top Layer w8: v2(110,1450) 165,1395 355,1395 P5.5@400,1440 ; v2(2215,2370) 2227.52,2357.48 U3.138@2300.35,2357.48
  Bottom Layer w8: v2(110,1450) 110,1635 230,1755 505,1755 550,1800 550,1986.36 697.64,2134 968.02,2134 1018.02,2084 1051.98,2084 1067.98,2100 1303.49,2100 1353.49,2150 1482.16,2150 1522.16,2190 1659.85,2190 1831.35,2361.5 1951.5,2361.5 2018.5,2428.5 2156.5,2428.5 v2(2215,2370)
FET_PWM1: TP43.1 U3.60 U8.1 | length 1777.4
  Top Layer w8: U3.60@1469.65,2022.83 1537.83,2022.83 1592.1,2077.1 1632.1,2077.1 v2(1645,2090) ; v2(2490,2310) 2491.5,2308.5 2526.5,2308.5 2570,2265 2628.79,2265 2685,2321.21 2685,2381.55 2665,2401.55 v2@2665,2435 ; U8.1@2623.43,2706.22 2623.43,2666.57 v2(2650,2640)
  Bottom Layer w8: v2(1645,2090) 1680,2090 1687.89,2097.89 2164.25,2097.89 2229.05,2162.69 2229.05,2163.91 2300.15,2235 2358.13,2235 2398.13,2275 2440,2275 2475,2310 v2(2490,2310) ; v2(2650,2640) 2650,2615 2665,2600 TP43.1@2665,2555 v2(2665,2445)
FET_PWM2: TP44.1 U3.63 U8.3 | length 1850.4
  Top Layer w8: U3.63@1469.65,1963.78 1524.03,1963.78 1595.25,2035 v2(1640,2035) ; v2(2515,2285) 2526.5,2273.5 2540.29,2273.5 2563.79,2250 2635,2250 2700,2315 2700,2390 2690,2400 v2@2690,2410 ; U8.3@2674.61,2706.22 2675,2705.83 2675,2650 2680,2645 v2(2680,2620)
  Bottom Layer w8: v2(1640,2035) 1664.23,2035 ; 1664.23,2035.1 1714.44,2035.1 1743.73,2064.39 1808.05,2064.39 1816.55,2055.89 2206.56,2055.89 2244.05,2093.39 2244.05,2157.69 2306.36,2220 2364.34,2220 2404.34,2260 2455.88,2260 2480.88,2285 v2(2515,2285) ; v2(2680,2620) 2680,2600 2701.1,2578.9 TP44.1@2701.1,2496.1 2701.1,2466.1 2690,2455 v2(2690,2420)
FET_PWM3: TP45.1 U3.65 U8.4 | length 1884.9
  Top Layer w8: U3.65@1469.65,1924.41 1506.98,1924.41 1582.57,2000 v2(1615,2000) ; v2(2490,2260) 2491.5,2258.5 2534.07,2258.5 2557.57,2235 2641.21,2235 2715,2308.79 v2@2715,2435 ; U8.4@2700,2706.02 U8.4@2700.2,2706.22 2700.2,2649.8 v2(2710,2640)
  Bottom Layer w8: v2(1615,2000) 1701.21,2000 1711.5,2010.29 1711.5,2010.95 1749.94,2049.39 1801.84,2049.39 1810.34,2040.89 2212.77,2040.89 2259.05,2087.17 2259.05,2151.48 2312.57,2205 2370.55,2205 2410.55,2245 2475,2245 v2(2490,2260) ; v2(2710,2640) 2710,2611.21 2740,2581.21 TP45.1@2740,2555 2740,2470 v2(2715,2445)
FET_PWM4: TP46.1 U3.67 U8.5 | length 1955.1
  Top Layer w8: U3.67@1469.65,1885.04 1503.4,1885.04 1516.08,1897.72 1516.08,1912.29 1578.79,1975 v2(1640,1975) ; v2(2515,2235) 2535,2235 2550,2220 2647.43,2220 2730,2302.57 2730,2387.43 2745,2402.43 2745,2415 v2@2735,2415 ; U8.5@2725.8,2706.22 2725,2705.42 2725,2658.23 2736.5,2646.73 v2(2736.5,2618.25)
  Bottom Layer w8: v2(1640,1975) 1643.5,1978.5 1700.93,1978.5 1726.5,2004.07 1726.5,2004.73 1756.16,2034.39 1795.62,2034.39 1804.12,2025.89 2218.98,2025.89 2274.05,2080.96 2274.05,2145.27 2318.79,2190 2376.77,2190 2416.77,2230 2488.5,2230 2495,2236.5 2513.5,2236.5 v2(2515,2235) ; v2(2736.5,2618.25) 2780,2574.75 TP46.1@2780,2495 2780,2488.79 2740,2448.79 v2(2740,2420)
FET_PWM5: TP47.1 U3.133 U8.6 | length 979.5
  Top Layer w8: U3.133@2300.35,2259.06 2436.69,2259.06 2441.37,2254.37 2462.4,2254.37 2511.77,2205 2653.64,2205 2745,2296.36 2745,2381.21 2770,2406.21 v2@2770,2435 ; U8.6@2751.39,2706.22 2750,2704.83 2750,2655.95 2760,2645.95 v2(2760,2640)
  Bottom Layer w8: v2(2760,2640) 2760,2615.96 2785.96,2590 2795,2590 2820,2565 TP47.1@2820,2555 2820,2480 2799,2459 2784,2459 v2(2770,2445)
FGND: D8.C H1.1 H2.1 H3.1 H4.1 S1.3 S1.4 | length 14849
  Top Layer w40: v1(455,2120) D8.C@455,2151.69
  Bottom Layer w40: 122.6,271.1 52,341.7 52,1947 205,2100 435,2100 v1(455,2120) ; 122.6,3778.9 62,3718.3 62,3353 142,3273 S1.3@194,3273 S1.4@194,2997 200.25,2990.75 200.25,2572.95 160,2532.7 160,2216.4 210,2166.4 210,2105 ; H3.1@266.85,3923.15 336.7,3993 3763.3,3993 3828.9,3927.4 ; 271.1,122.6 335.7,58 3756.04,58 3824.89,126.85 ; 3977.4,271.1 4043,336.7 4043,3713.3 3977.4,3778.9
  Bottom Layer w50: 122.6,271.1 H2.1@126.85,266.85 ; 122.6,3778.9 H3.1@126.85,3783.15 ; 3828.9,3927.4 H4.1@3833.15,3923.15 ; H1.1@3973.15,266.85 3977.4,271.1